# KiCad board panel_4_3.kicad_pcb (continued)
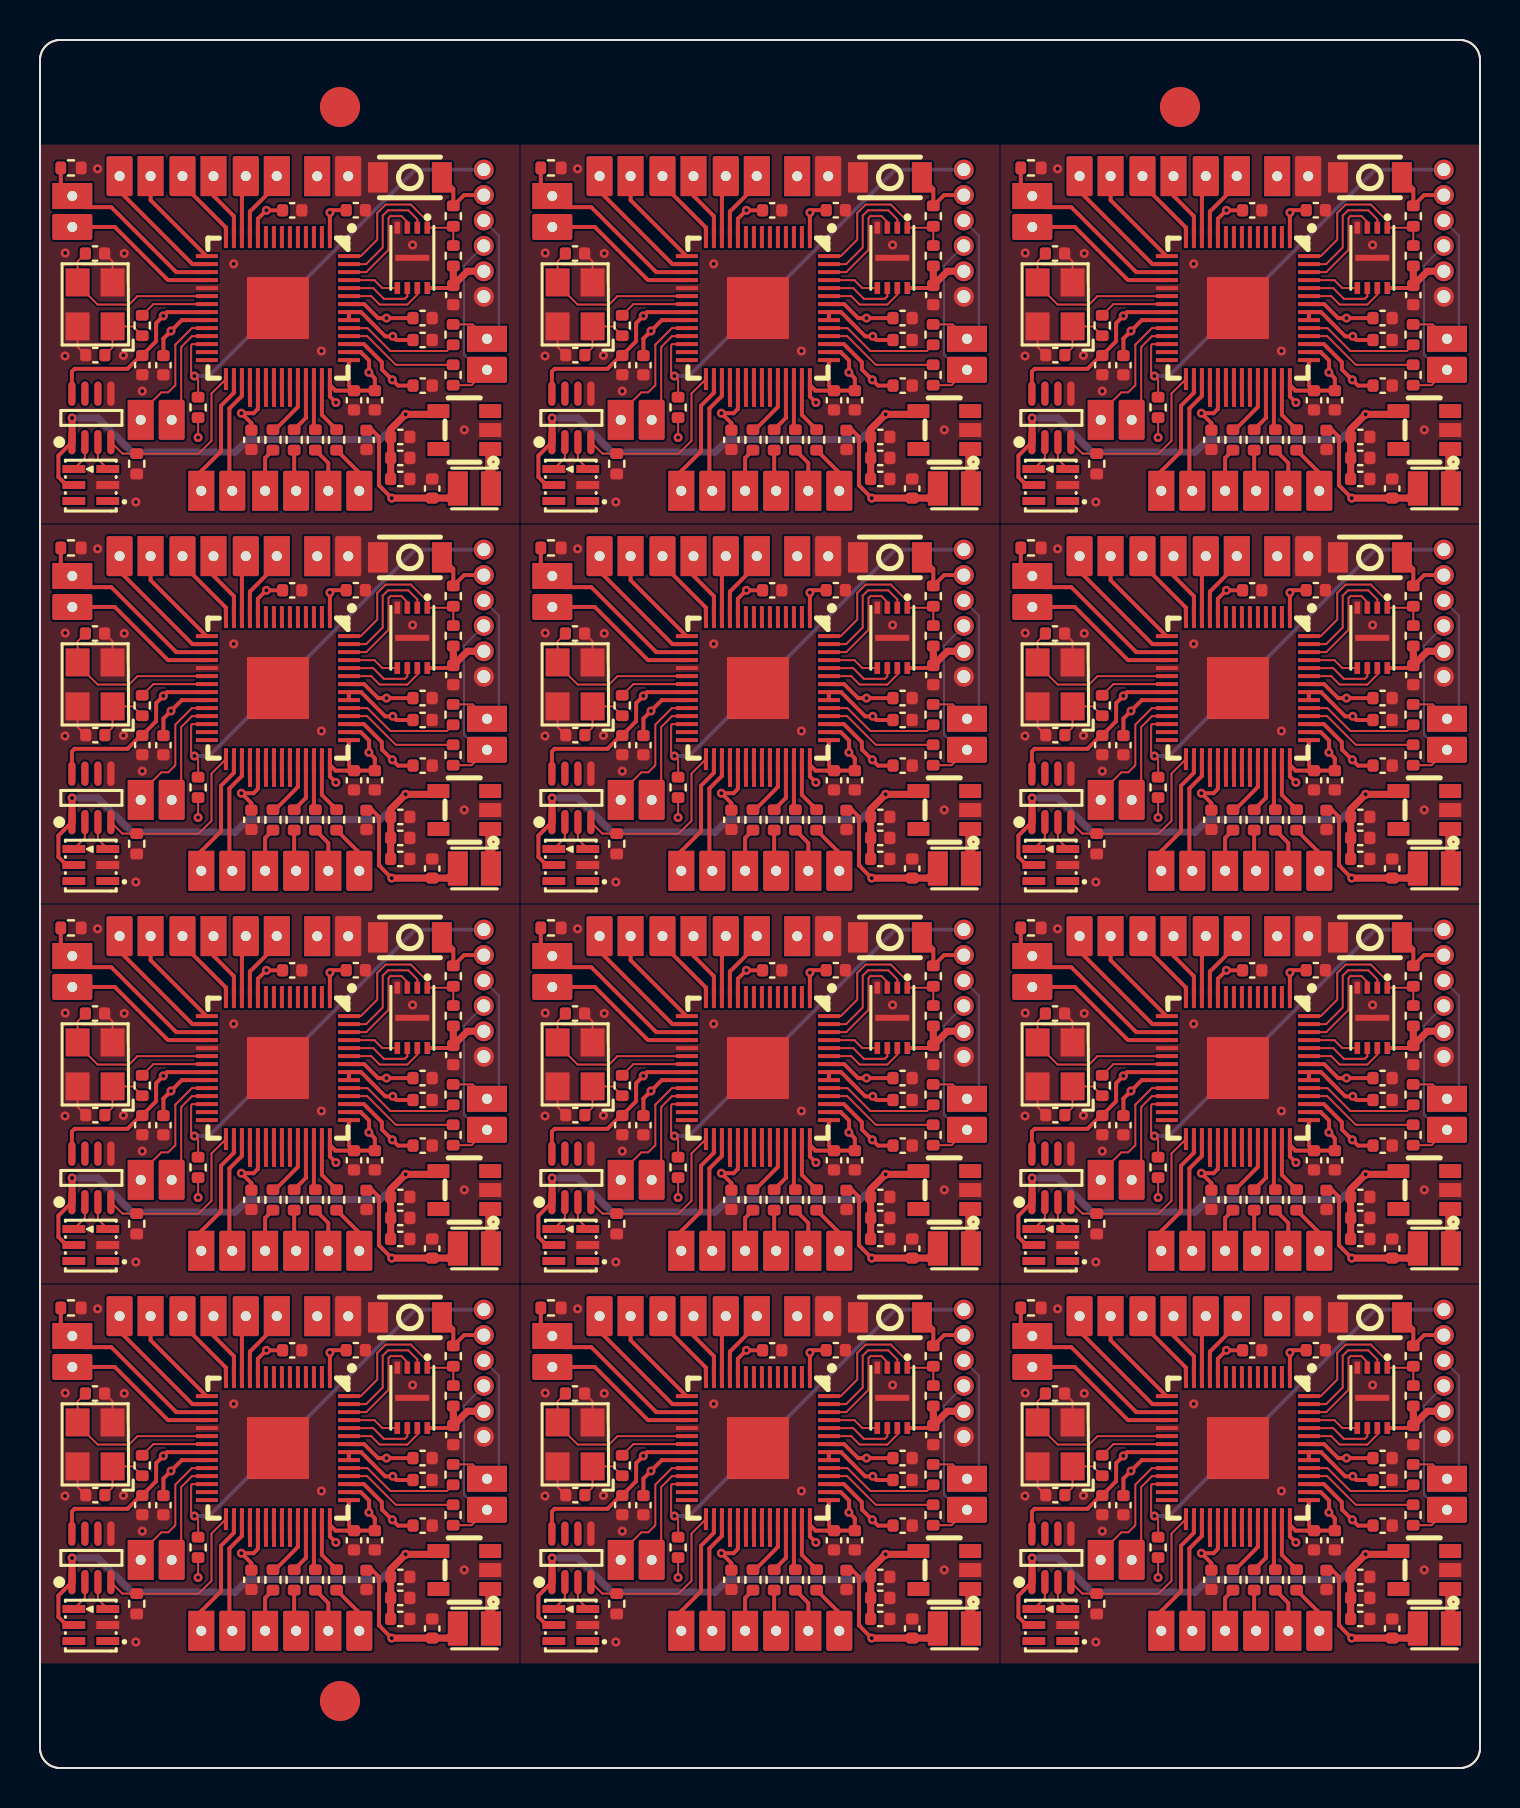
[diagram p0: board, top side]
## Nets (continued)
Board_2-NS_19: J11#7.1 U1#9.30
Board_2-NS_20: J11#7.2 U1#9.31
Board_2-NS_CLK: J3#11.2 R9#11.2
Board_2-NS_CMD: J4#12.1 R10#4.2
Board_2-NS_CPU: J2#7.2 U1#9.18
Board_2-NS_CPU_PD: J2#7.1 R12#10.1 U1#9.17
Board_2-NS_D0: J4#12.2 R11#12.2
Board_2-NS_RST: J3#11.1 R8#6.2
Board_2-NS_SCL: J6.2 U1#9.16
Board_2-NS_SDA: J6.1 U1#9.15
Board_2-PAD_21: J12#2.1 U1#9.32
Board_2-PAD_22: J12#2.3 U1#9.34
Board_2-PAD_23: J12#2.4 U1#9.35
Board_2-PAD_24: J12#2.5 U1#9.36
Board_2-PAD_25: J12#2.6 U1#9.37
Board_2-QSPI_CS: R5#7.2 R6.2 U1#9.56 U2#7.1
Board_2-QSPI_SCK: U1#9.52 U2#7.6
Board_2-QSPI_SD0: U1#9.53 U2#7.5
Board_2-QSPI_SD1: U1#9.55 U2#7.2
Board_2-QSPI_SD2: U1#9.54 U2#7.3
Board_2-QSPI_SD3: U1#9.51 U2#7.7
Board_2-RST: J8.1 R2#4.2 U1#9.26
Board_2-unconnected-(LED1-CKO-Pad6): LED1#11.6
Board_2-unconnected-(LED1-SDO-Pad1): LED1#11.1
Board_2-unconnected-(U1-GPIO0-Pad2): U1#9.2
Board_2-unconnected-(U1-GPIO1-Pad3): U1#9.3
Board_2-unconnected-(U1-GPIO2-Pad4): U1#9.4
Board_2-unconnected-(U1-GPIO3-Pad5): U1#9.5
Board_2-unconnected-(U1-GPIO4-Pad6): U1#9.6
Board_2-unconnected-(U1-GPIO5-Pad7): U1#9.7
Board_2-unconnected-(U1-GPIO6-Pad8): U1#9.8
Board_2-unconnected-(U1-GPIO7-Pad9): U1#9.9
Board_2-unconnected-(U1-GPIO16-Pad27): U1#9.27
Board_2-unconnected-(U1-GPIO17-Pad28): U1#9.28
Board_2-unconnected-(U4-NC-Pad3): U4#11.3
Board_2-unconnected-(U4-NC-Pad5): U4#11.5
Board_2-XIN: C3#11.1 U1#9.20 X1#9.3
Board_2-XOUT: R1#9.2 U1#9.21
Board_3-+1V1: C2#5.1 C4#4.1 C5#5.1 U1#3.23 U1#3.45 U1#3.50
Board_3-+3V3: C6#4.2 C7#10.1 C8#11.1 C9#11.1 C10#5.1 C11#11.1 C12#4.1 C13#12.1 C14#11.1 C15#4.1 J1#6.1 J8#10.5 J12#9.2 L1#6.1 R2#11.1 R6#2.1 U1#3.1 U1#3.10 U1#3.22 U1#3.33 U1#3.42 U1#3.43 U1#3.44 U1#3.48 U1#3.49 U2.8 U3#4.8
Board_3-+5V: C16#8.1 C17#7.1 C18#2.1 LED1#12.5 U3#4.1 U4.4
Board_3-BOOT: J8#10.2 R5#8.1 SW1#4.1
Board_3-D+: J5#12.1 J8#10.3 R3#11.2
Board_3-D-: J5#12.2 J8#10.4 R4#12.2
Board_3-DBG_CLK: J7#10.1 U1#3.24
Board_3-DBG_DAT: J7#10.2 U1#3.25
Board_3-GND: C1#8.1 C2#5.2 C3#8.2 C4#4.2 C5#5.2 C6#4.1 C7#10.2 C8#11.2 C9#11.2 C10#5.2 C11#11.2 C12#4.2 C13#12.2 C14#11.2 C15#4.2 C16#8.2 C17#7.2 C18#2.2 J1#6.2 J8#10.6 LED1#12.2 R7#6.1 R12#4.2 SW1#4.2 U1#3.19 U1#3.57 U2.4 U2.9 U3#4.5 U4.2 X1.2 X1.4
Board_3-LED_CLK: U3#4.7
Board_3-LED_CLK_5V: LED1#12.4 U3#4.2
Board_3-LED_DATA: U3#4.6
Board_3-LED_DATA_5V: LED1#12.3 U3#4.3
Board_3-LED_EN: R7#6.2 U1#3.29 U3#4.4
Board_3-Net-(U1-GPIO26_ADC0): R8#12.1 U1#3.38
Board_3-Net-(U1-GPIO27_ADC1): R9#10.1 U1#3.39
Board_3-Net-(U1-GPIO28_ADC2): R10#3.1 U1#3.40
Board_3-Net-(U1-GPIO29_ADC3): R11#5.1 U1#3.41
Board_3-Net-(U1-USB_DM): R4#12.1 U1#3.46
Board_3-Net-(U1-USB_DP): R3#11.1 U1#3.47
Board_3-Net-(U4-SW): L1#6.2 U4.1
Board_3-Net-(X1-OSC1): C1#8.2 R1#2.1 X1.1
Board_3-NS_8: J10#7.1 U1#3.11
Board_3-NS_9: J10#7.2 U1#3.12
Board_3-NS_10: J9#7.1 U1#3.13
Board_3-NS_11: J9#7.2 U1#3.14
Board_3-NS_19: J11#4.1 U1#3.30
Board_3-NS_20: J11#4.2 U1#3.31
Board_3-NS_CLK: J3#5.2 R9#10.2
Board_3-NS_CMD: J4#10.1 R10#3.2
Board_3-NS_CPU: J2#10.2 U1#3.18
Board_3-NS_CPU_PD: J2#10.1 R12#4.1 U1#3.17
Board_3-NS_D0: J4#10.2 R11#5.2
Board_3-NS_RST: J3#5.1 R8#12.2
Board_3-NS_SCL: J6#4.2 U1#3.16
Board_3-NS_SDA: J6#4.1 U1#3.15
Board_3-PAD_21: J12#9.1 U1#3.32
Board_3-PAD_22: J12#9.3 U1#3.34
Board_3-PAD_23: J12#9.4 U1#3.35
Board_3-PAD_24: J12#9.5 U1#3.36
Board_3-PAD_25: J12#9.6 U1#3.37
Board_3-QSPI_CS: R5#8.2 R6#2.2 U1#3.56 U2.1
Board_3-QSPI_SCK: U1#3.52 U2.6
Board_3-QSPI_SD0: U1#3.53 U2.5
Board_3-QSPI_SD1: U1#3.55 U2.2
Board_3-QSPI_SD2: U1#3.54 U2.3
Board_3-QSPI_SD3: U1#3.51 U2.7
Board_3-RST: J8#10.1 R2#11.2 U1#3.26
Board_3-unconnected-(LED1-CKO-Pad6): LED1#12.6
Board_3-unconnected-(LED1-SDO-Pad1): LED1#12.1
Board_3-unconnected-(U1-GPIO0-Pad2): U1#3.2
Board_3-unconnected-(U1-GPIO1-Pad3): U1#3.3
Board_3-unconnected-(U1-GPIO2-Pad4): U1#3.4
Board_3-unconnected-(U1-GPIO3-Pad5): U1#3.5
Board_3-unconnected-(U1-GPIO4-Pad6): U1#3.6
Board_3-unconnected-(U1-GPIO5-Pad7): U1#3.7
Board_3-unconnected-(U1-GPIO6-Pad8): U1#3.8
Board_3-unconnected-(U1-GPIO7-Pad9): U1#3.9
Board_3-unconnected-(U1-GPIO16-Pad27): U1#3.27
Board_3-unconnected-(U1-GPIO17-Pad28): U1#3.28
Board_3-unconnected-(U4-NC-Pad3): U4.3
Board_3-unconnected-(U4-NC-Pad5): U4.5
Board_3-XIN: C3#8.1 U1#3.20 X1.3
Board_3-XOUT: R1#2.2 U1#3.21
Board_4-+1V1: C2#8.1 C4#8.1 C5#2.1 U1#10.23 U1#10.45 U1#10.50
Board_4-+3V3: C6#3.2 C7#11.1 C8#7.1 C9#10.1 C10#2.1 C11.1 C12#8.1 C13#6.1 C14#3.1 C15#5.1 J1#7.1 J8#6.5 J12#6.2 L1#12.1 R2#5.1 R6#12.1 U1#10.1 U1#10.10 U1#10.22 U1#10.33 U1#10.42 U1#10.43 U1#10.44 U1#10.48 U1#10.49 U2#6.8 U3#11.8
Board_4-+5V: C16#10.1 C17#6.1 C18#4.1 LED1#4.5 U3#11.1 U4#7.4
Board_4-BOOT: J8#6.2 R5#2.1 SW1#9.1
Board_4-D+: J5#4.1 J8#6.3 R3#3.2
Board_4-D-: J5#4.2 J8#6.4 R4#8.2
Board_4-DBG_CLK: J7.1 U1#10.24
Board_4-DBG_DAT: J7.2 U1#10.25
Board_4-GND: C1#6.1 C2#8.2 C3#9.2 C4#8.2 C5#2.2 C6#3.1 C7#11.2 C8#7.2 C9#10.2 C10#2.2 C11.2 C12#8.2 C13#6.2 C14#3.2 C15#5.2 C16#10.2 C17#6.2 C18#4.2 J1#7.2 J8#6.6 LED1#4.2 R7#7.1 R12#2.2 SW1#9.2 U1#10.19 U1#10.57 U2#6.4 U2#6.9 U3#11.5 U4#7.2 X1#4.2 X1#4.4
Board_4-LED_CLK: U3#11.7
Board_4-LED_CLK_5V: LED1#4.4 U3#11.2
Board_4-LED_DATA: U3#11.6
Board_4-LED_DATA_5V: LED1#4.3 U3#11.3
Board_4-LED_EN: R7#7.2 U1#10.29 U3#11.4
Board_4-Net-(U1-GPIO26_ADC0): R8#8.1 U1#10.38
Board_4-Net-(U1-GPIO27_ADC1): R9#2.1 U1#10.39
Board_4-Net-(U1-GPIO28_ADC2): R10#6.1 U1#10.40
Board_4-Net-(U1-GPIO29_ADC3): R11#10.1 U1#10.41
Board_4-Net-(U1-USB_DM): R4#8.1 U1#10.46
Board_4-Net-(U1-USB_DP): R3#3.1 U1#10.47
Board_4-Net-(U4-SW): L1#12.2 U4#7.1
Board_4-Net-(X1-OSC1): C1#6.2 R1#12.1 X1#4.1
Board_4-NS_8: J10#6.1 U1#10.11
Board_4-NS_9: J10#6.2 U1#10.12
Board_4-NS_10: J9#9.1 U1#10.13
Board_4-NS_11: J9#9.2 U1#10.14
Board_4-NS_19: J11#11.1 U1#10.30
Board_4-NS_20: J11#11.2 U1#10.31
Board_4-NS_CLK: J3#12.2 R9#2.2
Board_4-NS_CMD: J4#5.1 R10#6.2
Board_4-NS_CPU: J2#8.2 U1#10.18
Board_4-NS_CPU_PD: J2#8.1 R12#2.1 U1#10.17
Board_4-NS_D0: J4#5.2 R11#10.2
Board_4-NS_RST: J3#12.1 R8#8.2
Board_4-NS_SCL: J6#9.2 U1#10.16
Board_4-NS_SDA: J6#9.1 U1#10.15
Board_4-PAD_21: J12#6.1 U1#10.32
Board_4-PAD_22: J12#6.3 U1#10.34
Board_4-PAD_23: J12#6.4 U1#10.35
Board_4-PAD_24: J12#6.5 U1#10.36
Board_4-PAD_25: J12#6.6 U1#10.37
Board_4-QSPI_CS: R5#2.2 R6#12.2 U1#10.56 U2#6.1
Board_4-QSPI_SCK: U1#10.52 U2#6.6
Board_4-QSPI_SD0: U1#10.53 U2#6.5
Board_4-QSPI_SD1: U1#10.55 U2#6.2
Board_4-QSPI_SD2: U1#10.54 U2#6.3
Board_4-QSPI_SD3: U1#10.51 U2#6.7
Board_4-RST: J8#6.1 R2#5.2 U1#10.26
Board_4-unconnected-(LED1-CKO-Pad6): LED1#4.6
Board_4-unconnected-(LED1-SDO-Pad1): LED1#4.1
Board_4-unconnected-(U1-GPIO0-Pad2): U1#10.2
Board_4-unconnected-(U1-GPIO1-Pad3): U1#10.3
Board_4-unconnected-(U1-GPIO2-Pad4): U1#10.4
Board_4-unconnected-(U1-GPIO3-Pad5): U1#10.5
Board_4-unconnected-(U1-GPIO4-Pad6): U1#10.6
Board_4-unconnected-(U1-GPIO5-Pad7): U1#10.7
Board_4-unconnected-(U1-GPIO6-Pad8): U1#10.8
Board_4-unconnected-(U1-GPIO7-Pad9): U1#10.9
Board_4-unconnected-(U1-GPIO16-Pad27): U1#10.27
Board_4-unconnected-(U1-GPIO17-Pad28): U1#10.28
Board_4-unconnected-(U4-NC-Pad3): U4#7.3
Board_4-unconnected-(U4-NC-Pad5): U4#7.5
Board_4-XIN: C3#9.1 U1#10.20 X1#4.3
Board_4-XOUT: R1#12.2 U1#10.21
Board_5-+1V1: C2#7.1 C4#6.1 C5#9.1 U1#2.23 U1#2.45 U1#2.50
Board_5-+3V3: C6#7.2 C7#7.1 C8#9.1 C9#6.1 C10#7.1 C11#10.1 C12#7.1 C13#4.1 C14#7.1 C15#3.1 J1#3.1 J8#8.5 J12#4.2 L1#8.1 R2#2.1 R6#6.1 U1#2.1 U1#2.10 U1#2.22 U1#2.33 U1#2.42 U1#2.43 U1#2.44 U1#2.48 U1#2.49 U2#12.8 U3#12.8
Board_5-+5V: C16#12.1 C17#12.1 C18#12.1 LED1#5.5 U3#12.1 U4#9.4
Board_5-BOOT: J8#8.2 R5#5.1 SW1#12.1
Board_5-D+: J5#6.1 J8#8.3 R3#8.2
Board_5-D-: J5#6.2 J8#8.4 R4#11.2
Board_5-DBG_CLK: J7#8.1 U1#2.24
Board_5-DBG_DAT: J7#8.2 U1#2.25
Board_5-GND: C1#5.1 C2#7.2 C3#6.2 C4#6.2 C5#9.2 C6#7.1 C7#7.2 C8#9.2 C9#6.2 C10#7.2 C11#10.2 C12#7.2 C13#4.2 C14#7.2 C15#3.2 C16#12.2 C17#12.2 C18#12.2 J1#3.2 J8#8.6 LED1#5.2 R7#2.1 R12#11.2 SW1#12.2 U1#2.19 U1#2.57 U2#12.4 U2#12.9 U3#12.5 U4#9.2 X1#7.2 X1#7.4
Board_5-LED_CLK: U3#12.7
Board_5-LED_CLK_5V: LED1#5.4 U3#12.2
Board_5-LED_DATA: U3#12.6
Board_5-LED_DATA_5V: LED1#5.3 U3#12.3
Board_5-LED_EN: R7#2.2 U1#2.29 U3#12.4
Board_5-Net-(U1-GPIO26_ADC0): R8.1 U1#2.38
Board_5-Net-(U1-GPIO27_ADC1): R9#5.1 U1#2.39
Board_5-Net-(U1-GPIO28_ADC2): R10#2.1 U1#2.40
Board_5-Net-(U1-GPIO29_ADC3): R11#2.1 U1#2.41
Board_5-Net-(U1-USB_DM): R4#11.1 U1#2.46
Board_5-Net-(U1-USB_DP): R3#8.1 U1#2.47
Board_5-Net-(U4-SW): L1#8.2 U4#9.1
Board_5-Net-(X1-OSC1): C1#5.2 R1#5.1 X1#7.1
Board_5-NS_8: J10#8.1 U1#2.11
Board_5-NS_9: J10#8.2 U1#2.12
Board_5-NS_10: J9#8.1 U1#2.13
Board_5-NS_11: J9#8.2 U1#2.14
Board_5-NS_19: J11#12.1 U1#2.30
Board_5-NS_20: J11#12.2 U1#2.31
Board_5-NS_CLK: J3.2 R9#5.2
Board_5-NS_CMD: J4#7.1 R10#2.2
Board_5-NS_CPU: J2#11.2 U1#2.18
Board_5-NS_CPU_PD: J2#11.1 R12#11.1 U1#2.17
Board_5-NS_D0: J4#7.2 R11#2.2
Board_5-NS_RST: J3.1 R8.2
Board_5-NS_SCL: J6#6.2 U1#2.16
Board_5-NS_SDA: J6#6.1 U1#2.15
Board_5-PAD_21: J12#4.1 U1#2.32
Board_5-PAD_22: J12#4.3 U1#2.34
Board_5-PAD_23: J12#4.4 U1#2.35
Board_5-PAD_24: J12#4.5 U1#2.36
Board_5-PAD_25: J12#4.6 U1#2.37
Board_5-QSPI_CS: R5#5.2 R6#6.2 U1#2.56 U2#12.1
Board_5-QSPI_SCK: U1#2.52 U2#12.6
Board_5-QSPI_SD0: U1#2.53 U2#12.5
Board_5-QSPI_SD1: U1#2.55 U2#12.2
Board_5-QSPI_SD2: U1#2.54 U2#12.3
Board_5-QSPI_SD3: U1#2.51 U2#12.7
Board_5-RST: J8#8.1 R2#2.2 U1#2.26
Board_5-unconnected-(LED1-CKO-Pad6): LED1#5.6
Board_5-unconnected-(LED1-SDO-Pad1): LED1#5.1
Board_5-unconnected-(U1-GPIO0-Pad2): U1#2.2
Board_5-unconnected-(U1-GPIO1-Pad3): U1#2.3
Board_5-unconnected-(U1-GPIO2-Pad4): U1#2.4
Board_5-unconnected-(U1-GPIO3-Pad5): U1#2.5
Board_5-unconnected-(U1-GPIO4-Pad6): U1#2.6
Board_5-unconnected-(U1-GPIO5-Pad7): U1#2.7
Board_5-unconnected-(U1-GPIO6-Pad8): U1#2.8
Board_5-unconnected-(U1-GPIO7-Pad9): U1#2.9
Board_5-unconnected-(U1-GPIO16-Pad27): U1#2.27
Board_5-unconnected-(U1-GPIO17-Pad28): U1#2.28
Board_5-unconnected-(U4-NC-Pad3): U4#9.3
Board_5-unconnected-(U4-NC-Pad5): U4#9.5
Board_5-XIN: C3#6.1 U1#2.20 X1#7.3
Board_5-XOUT: R1#5.2 U1#2.21
Board_6-+1V1: C2#9.1 C4.1 C5#7.1 U1.23 U1.45 U1.50
Board_6-+3V3: C6#12.2 C7#6.1 C8#2.1 C9#9.1 C10#9.1 C11#9.1 C12#12.1 C13#11.1 C14#6.1 C15#8.1 J1#2.1 J8#11.5 J12#7.2 L1#2.1 R2#9.1 R6#8.1 U1.1 U1.10 U1.22 U1.33 U1.42 U1.43 U1.44 U1.48 U1.49 U2#8.8 U3#6.8
Board_6-+5V: C16#3.1 C17#2.1 C18#8.1 LED1#10.5 U3#6.1 U4#2.4
Board_6-BOOT: J8#11.2 R5#11.1 SW1#11.1
Board_6-D+: J5#3.1 J8#11.3 R3#7.2
Board_6-D-: J5#3.2 J8#11.4 R4#10.2
Board_6-DBG_CLK: J7#4.1 U1.24
Board_6-DBG_DAT: J7#4.2 U1.25
Board_6-GND: C1#4.1 C2#9.2 C3#2.2 C4.2 C5#7.2 C6#12.1 C7#6.2 C8#2.2 C9#9.2 C10#9.2 C11#9.2 C12#12.2 C13#11.2 C14#6.2 C15#8.2 C16#3.2 C17#2.2 C18#8.2 J1#2.2 J8#11.6 LED1#10.2 R7#10.1 R12#9.2 SW1#11.2 U1.19 U1.57 U2#8.4 U2#8.9 U3#6.5 U4#2.2 X1#5.2 X1#5.4
Board_6-LED_CLK: U3#6.7
Board_6-LED_CLK_5V: LED1#10.4 U3#6.2
Board_6-LED_DATA: U3#6.6
Board_6-LED_DATA_5V: LED1#10.3 U3#6.3
Board_6-LED_EN: R7#10.2 U1.29 U3#6.4
Board_6-Net-(U1-GPIO26_ADC0): R8#7.1 U1.38
Board_6-Net-(U1-GPIO27_ADC1): R9#7.1 U1.39
Board_6-Net-(U1-GPIO28_ADC2): R10#12.1 U1.40
Board_6-Net-(U1-GPIO29_ADC3): R11#7.1 U1.41
Board_6-Net-(U1-USB_DM): R4#10.1 U1.46
Board_6-Net-(U1-USB_DP): R3#7.1 U1.47
Board_6-Net-(U4-SW): L1#2.2 U4#2.1
Board_6-Net-(X1-OSC1): C1#4.2 R1#11.1 X1#5.1
Board_6-NS_8: J10#4.1 U1.11
Board_6-NS_9: J10#4.2 U1.12
Board_6-NS_10: J9#12.1 U1.13
Board_6-NS_11: J9#12.2 U1.14
Board_6-NS_19: J11#10.1 U1.30
Board_6-NS_20: J11#10.2 U1.31
Board_6-NS_CLK: J3#10.2 R9#7.2
Board_6-NS_CMD: J4.1 R10#12.2
Board_6-NS_CPU: J2#3.2 U1.18
Board_6-NS_CPU_PD: J2#3.1 R12#9.1 U1.17
Board_6-NS_D0: J4.2 R11#7.2
Board_6-NS_RST: J3#10.1 R8#7.2
Board_6-NS_SCL: J6#8.2 U1.16
Board_6-NS_SDA: J6#8.1 U1.15
Board_6-PAD_21: J12#7.1 U1.32
Board_6-PAD_22: J12#7.3 U1.34
Board_6-PAD_23: J12#7.4 U1.35
Board_6-PAD_24: J12#7.5 U1.36
Board_6-PAD_25: J12#7.6 U1.37
Board_6-QSPI_CS: R5#11.2 R6#8.2 U1.56 U2#8.1
Board_6-QSPI_SCK: U1.52 U2#8.6
Board_6-QSPI_SD0: U1.53 U2#8.5
Board_6-QSPI_SD1: U1.55 U2#8.2
Board_6-QSPI_SD2: U1.54 U2#8.3
Board_6-QSPI_SD3: U1.51 U2#8.7
Board_6-RST: J8#11.1 R2#9.2 U1.26
Board_6-unconnected-(LED1-CKO-Pad6): LED1#10.6
Board_6-unconnected-(LED1-SDO-Pad1): LED1#10.1
Board_6-unconnected-(U1-GPIO0-Pad2): U1.2
Board_6-unconnected-(U1-GPIO1-Pad3): U1.3
Board_6-unconnected-(U1-GPIO2-Pad4): U1.4
Board_6-unconnected-(U1-GPIO3-Pad5): U1.5
Board_6-unconnected-(U1-GPIO4-Pad6): U1.6
Board_6-unconnected-(U1-GPIO5-Pad7): U1.7
Board_6-unconnected-(U1-GPIO6-Pad8): U1.8
Board_6-unconnected-(U1-GPIO7-Pad9): U1.9
Board_6-unconnected-(U1-GPIO16-Pad27): U1.27
Board_6-unconnected-(U1-GPIO17-Pad28): U1.28
Board_6-unconnected-(U4-NC-Pad3): U4#2.3
Board_6-unconnected-(U4-NC-Pad5): U4#2.5
Board_6-XIN: C3#2.1 U1.20 X1#5.3
Board_6-XOUT: R1#11.2 U1.21
Board_7-+1V1: C2#6.1 C4#3.1 C5#10.1 U1#8.23 U1#8.45 U1#8.50
Board_7-+3V3: C6#8.2 C7#2.1 C8.1 C9#4.1 C10#3.1 C11#5.1 C12#2.1 C13#8.1 C14.1 C15#2.1 J1#8.1 J8#4.5 J12#3.2 L1.1 R2#10.1 R6#5.1 U1#8.1 U1#8.10 U1#8.22 U1#8.33 U1#8.42 U1#8.43 U1#8.44 U1#8.48 U1#8.49 U2#10.8 U3#7.8
Board_7-+5V: C16#7.1 C17#8.1 C18#5.1 LED1#3.5 U3#7.1 U4#8.4
Board_7-BOOT: J8#4.2 R5#3.1 SW1#3.1
Board_7-D+: J5#7.1 J8#4.3 R3#2.2
Board_7-D-: J5#7.2 J8#4.4 R4#2.2
Board_7-DBG_CLK: J7#5.1 U1#8.24
Board_7-DBG_DAT: J7#5.2 U1#8.25
Board_7-GND: C1.1 C2#6.2 C3#12.2 C4#3.2 C5#10.2 C6#8.1 C7#2.2 C8.2 C9#4.2 C10#3.2 C11#5.2 C12#2.2 C13#8.2 C14.2 C15#2.2 C16#7.2 C17#8.2 C18#5.2 J1#8.2 J8#4.6 LED1#3.2 R7.1 R12.2 SW1#3.2 U1#8.19 U1#8.57 U2#10.4 U2#10.9 U3#7.5 U4#8.2 X1#2.2 X1#2.4
Board_7-LED_CLK: U3#7.7
Board_7-LED_CLK_5V: LED1#3.4 U3#7.2
Board_7-LED_DATA: U3#7.6
Board_7-LED_DATA_5V: LED1#3.3 U3#7.3
Board_7-LED_EN: R7.2 U1#8.29 U3#7.4
Board_7-Net-(U1-GPIO26_ADC0): R8#5.1 U1#8.38
Board_7-Net-(U1-GPIO27_ADC1): R9#4.1 U1#8.39
Board_7-Net-(U1-GPIO28_ADC2): R10#11.1 U1#8.40
Board_7-Net-(U1-GPIO29_ADC3): R11#11.1 U1#8.41
Board_7-Net-(U1-USB_DM): R4#2.1 U1#8.46
Board_7-Net-(U1-USB_DP): R3#2.1 U1#8.47
Board_7-Net-(U4-SW): L1.2 U4#8.1
Board_7-Net-(X1-OSC1): C1.2 R1#7.1 X1#2.1
Board_7-NS_8: J10#2.1 U1#8.11
Board_7-NS_9: J10#2.2 U1#8.12
Board_7-NS_10: J9#3.1 U1#8.13
Board_7-NS_11: J9#3.2 U1#8.14
Board_7-NS_19: J11#8.1 U1#8.30
Board_7-NS_20: J11#8.2 U1#8.31
Board_7-NS_CLK: J3#9.2 R9#4.2
Board_7-NS_CMD: J4#6.1 R10#11.2
Board_7-NS_CPU: J2#12.2 U1#8.18
Board_7-NS_CPU_PD: J2#12.1 R12.1 U1#8.17
Board_7-NS_D0: J4#6.2 R11#11.2
Board_7-NS_RST: J3#9.1 R8#5.2
Board_7-NS_SCL: J6#2.2 U1#8.16
Board_7-NS_SDA: J6#2.1 U1#8.15
Board_7-PAD_21: J12#3.1 U1#8.32
Board_7-PAD_22: J12#3.3 U1#8.34
Board_7-PAD_23: J12#3.4 U1#8.35
Board_7-PAD_24: J12#3.5 U1#8.36
Board_7-PAD_25: J12#3.6 U1#8.37
Board_7-QSPI_CS: R5#3.2 R6#5.2 U1#8.56 U2#10.1
Board_7-QSPI_SCK: U1#8.52 U2#10.6
Board_7-QSPI_SD0: U1#8.53 U2#10.5
Board_7-QSPI_SD1: U1#8.55 U2#10.2
Board_7-QSPI_SD2: U1#8.54 U2#10.3
Board_7-QSPI_SD3: U1#8.51 U2#10.7
Board_7-RST: J8#4.1 R2#10.2 U1#8.26
Board_7-unconnected-(LED1-CKO-Pad6): LED1#3.6
Board_7-unconnected-(LED1-SDO-Pad1): LED1#3.1
Board_7-unconnected-(U1-GPIO0-Pad2): U1#8.2
Board_7-unconnected-(U1-GPIO1-Pad3): U1#8.3
Board_7-unconnected-(U1-GPIO2-Pad4): U1#8.4
Board_7-unconnected-(U1-GPIO3-Pad5): U1#8.5
Board_7-unconnected-(U1-GPIO4-Pad6): U1#8.6
Board_7-unconnected-(U1-GPIO5-Pad7): U1#8.7
Board_7-unconnected-(U1-GPIO6-Pad8): U1#8.8
Board_7-unconnected-(U1-GPIO7-Pad9): U1#8.9
Board_7-unconnected-(U1-GPIO16-Pad27): U1#8.27
Board_7-unconnected-(U1-GPIO17-Pad28): U1#8.28
Board_7-unconnected-(U4-NC-Pad3): U4#8.3
Board_7-unconnected-(U4-NC-Pad5): U4#8.5
Board_7-XIN: C3#12.1 U1#8.20 X1#2.3
Board_7-XOUT: R1#7.2 U1#8.21
Board_8-+1V1: C2#3.1 C4#11.1 C5.1 U1#5.23 U1#5.45 U1#5.50
Board_8-+3V3: C6#9.2 C7.1 C8#6.1 C9#3.1 C10#12.1 C11#2.1 C12#6.1 C13#3.1 C14#8.1 C15.1 J1.1 J8#5.5 J12.2 L1#9.1 R2#6.1 R6#9.1 U1#5.1 U1#5.10 U1#5.22 U1#5.33 U1#5.42 U1#5.43 U1#5.44 U1#5.48 U1#5.49 U2#4.8 U3.8
Board_8-+5V: C16.1 C17#3.1 C18#6.1 LED1#8.5 U3.1 U4#5.4
Board_8-BOOT: J8#5.2 R5#6.1 SW1#10.1
Board_8-D+: J5#9.1 J8#5.3 R3.2
Board_8-D-: J5#9.2 J8#5.4 R4#7.2
Board_8-DBG_CLK: J7#6.1 U1#5.24
Board_8-DBG_DAT: J7#6.2 U1#5.25
Board_8-GND: C1#7.1 C2#3.2 C3#3.2 C4#11.2 C5.2 C6#9.1 C7.2 C8#6.2 C9#3.2 C10#12.2 C11#2.2 C12#6.2 C13#3.2 C14#8.2 C15.2 C16.2 C17#3.2 C18#6.2 J1.2 J8#5.6 LED1#8.2 R7#11.1 R12#3.2 SW1#10.2 U1#5.19 U1#5.57 U2#4.4 U2#4.9 U3.5 U4#5.2 X1#10.2 X1#10.4
Board_8-LED_CLK: U3.7
Board_8-LED_CLK_5V: LED1#8.4 U3.2
Board_8-LED_DATA: U3.6
Board_8-LED_DATA_5V: LED1#8.3 U3.3
Board_8-LED_EN: R7#11.2 U1#5.29 U3.4
Board_8-Net-(U1-GPIO26_ADC0): R8#11.1 U1#5.38
Board_8-Net-(U1-GPIO27_ADC1): R9#12.1 U1#5.39
Board_8-Net-(U1-GPIO28_ADC2): R10#7.1 U1#5.40
Board_8-Net-(U1-GPIO29_ADC3): R11#3.1 U1#5.41
Board_8-Net-(U1-USB_DM): R4#7.1 U1#5.46
Board_8-Net-(U1-USB_DP): R3.1 U1#5.47
Board_8-Net-(U4-SW): L1#9.2 U4#5.1
Board_8-Net-(X1-OSC1): C1#7.2 R1.1 X1#10.1
Board_8-NS_8: J10#9.1 U1#5.11
Board_8-NS_9: J10#9.2 U1#5.12
Board_8-NS_10: J9#5.1 U1#5.13
Board_8-NS_11: J9#5.2 U1#5.14
Board_8-NS_19: J11#5.1 U1#5.30
Board_8-NS_20: J11#5.2 U1#5.31
Board_8-NS_CLK: J3#7.2 R9#12.2
Board_8-NS_CMD: J4#9.1 R10#7.2
Board_8-NS_CPU: J2#5.2 U1#5.18
Board_8-NS_CPU_PD: J2#5.1 R12#3.1 U1#5.17
Board_8-NS_D0: J4#9.2 R11#3.2
Board_8-NS_RST: J3#7.1 R8#11.2
Board_8-NS_SCL: J6#3.2 U1#5.16
Board_8-NS_SDA: J6#3.1 U1#5.15
Board_8-PAD_21: J12.1 U1#5.32
Board_8-PAD_22: J12.3 U1#5.34
Board_8-PAD_23: J12.4 U1#5.35
Board_8-PAD_24: J12.5 U1#5.36
Board_8-PAD_25: J12.6 U1#5.37
Board_8-QSPI_CS: R5#6.2 R6#9.2 U1#5.56 U2#4.1
Board_8-QSPI_SCK: U1#5.52 U2#4.6
Board_8-QSPI_SD0: U1#5.53 U2#4.5
Board_8-QSPI_SD1: U1#5.55 U2#4.2
Board_8-QSPI_SD2: U1#5.54 U2#4.3
Board_8-QSPI_SD3: U1#5.51 U2#4.7
Board_8-RST: J8#5.1 R2#6.2 U1#5.26
Board_8-unconnected-(LED1-CKO-Pad6): LED1#8.6
Board_8-unconnected-(LED1-SDO-Pad1): LED1#8.1
Board_8-unconnected-(U1-GPIO0-Pad2): U1#5.2
Board_8-unconnected-(U1-GPIO1-Pad3): U1#5.3
Board_8-unconnected-(U1-GPIO2-Pad4): U1#5.4
Board_8-unconnected-(U1-GPIO3-Pad5): U1#5.5
Board_8-unconnected-(U1-GPIO4-Pad6): U1#5.6
Board_8-unconnected-(U1-GPIO5-Pad7): U1#5.7
Board_8-unconnected-(U1-GPIO6-Pad8): U1#5.8
Board_8-unconnected-(U1-GPIO7-Pad9): U1#5.9
Board_8-unconnected-(U1-GPIO16-Pad27): U1#5.27
Board_8-unconnected-(U1-GPIO17-Pad28): U1#5.28
Board_8-unconnected-(U4-NC-Pad3): U4#5.3
Board_8-unconnected-(U4-NC-Pad5): U4#5.5
Board_8-XIN: C3#3.1 U1#5.20 X1#10.3
Board_8-XOUT: R1.2 U1#5.21
Board_9-+1V1: C2#11.1 C4#2.1 C5#11.1 U1#6.23 U1#6.45 U1#6.50
Board_9-+3V3: C6#2.2 C7#8.1 C8#8.1 C9.1 C10.1 C11#8.1 C12#9.1 C13#5.1 C14#9.1 C15#7.1 J1#5.1 J8#12.5 J12#10.2 L1#11.1 R2#3.1 R6#3.1 U1#6.1 U1#6.10 U1#6.22 U1#6.33 U1#6.42 U1#6.43 U1#6.44 U1#6.48 U1#6.49 U2#11.8 U3#2.8
Board_9-+5V: C16#6.1 C17#5.1 C18#9.1 LED1#6.5 U3#2.1 U4#10.4
Board_9-BOOT: J8#12.2 R5.1 SW1#2.1
Board_9-D+: J5.1 J8#12.3 R3#6.2
Board_9-D-: J5.2 J8#12.4 R4#6.2
Board_9-DBG_CLK: J7#2.1 U1#6.24
Board_9-DBG_DAT: J7#2.2 U1#6.25
Board_9-GND: C1#9.1 C2#11.2 C3#5.2 C4#2.2 C5#11.2 C6#2.1 C7#8.2 C8#8.2 C9.2 C10.2 C11#8.2 C12#9.2 C13#5.2 C14#9.2 C15#7.2 C16#6.2 C17#5.2 C18#9.2 J1#5.2 J8#12.6 LED1#6.2 R7#8.1 R12#6.2 SW1#2.2 U1#6.19 U1#6.57 U2#11.4 U2#11.9 U3#2.5 U4#10.2 X1#12.2 X1#12.4
Board_9-LED_CLK: U3#2.7
Board_9-LED_CLK_5V: LED1#6.4 U3#2.2
Board_9-LED_DATA: U3#2.6
Board_9-LED_DATA_5V: LED1#6.3 U3#2.3
Board_9-LED_EN: R7#8.2 U1#6.29 U3#2.4
Board_9-Net-(U1-GPIO26_ADC0): R8#9.1 U1#6.38
Board_9-Net-(U1-GPIO27_ADC1): R9#8.1 U1#6.39
Board_9-Net-(U1-GPIO28_ADC2): R10#5.1 U1#6.40
Board_9-Net-(U1-GPIO29_ADC3): R11#9.1 U1#6.41
Board_9-Net-(U1-USB_DM): R4#6.1 U1#6.46
Board_9-Net-(U1-USB_DP): R3#6.1 U1#6.47
Board_9-Net-(U4-SW): L1#11.2 U4#10.1
Board_9-Net-(X1-OSC1): C1#9.2 R1#4.1 X1#12.1
Board_9-NS_8: J10#11.1 U1#6.11
Board_9-NS_9: J10#11.2 U1#6.12
Board_9-NS_10: J9.1 U1#6.13
Board_9-NS_11: J9.2 U1#6.14
Board_9-NS_19: J11.1 U1#6.30
Board_9-NS_20: J11.2 U1#6.31
Board_9-NS_CLK: J3#2.2 R9#8.2
Board_9-NS_CMD: J4#3.1 R10#5.2
Board_9-NS_CPU: J2#9.2 U1#6.18
Board_9-NS_CPU_PD: J2#9.1 R12#6.1 U1#6.17
Board_9-NS_D0: J4#3.2 R11#9.2
Board_9-NS_RST: J3#2.1 R8#9.2
Board_9-NS_SCL: J6#12.2 U1#6.16
Board_9-NS_SDA: J6#12.1 U1#6.15
Board_9-PAD_21: J12#10.1 U1#6.32
Board_9-PAD_22: J12#10.3 U1#6.34
Board_9-PAD_23: J12#10.4 U1#6.35
Board_9-PAD_24: J12#10.5 U1#6.36
Board_9-PAD_25: J12#10.6 U1#6.37
Board_9-QSPI_CS: R5.2 R6#3.2 U1#6.56 U2#11.1
Board_9-QSPI_SCK: U1#6.52 U2#11.6
Board_9-QSPI_SD0: U1#6.53 U2#11.5
Board_9-QSPI_SD1: U1#6.55 U2#11.2
Board_9-QSPI_SD2: U1#6.54 U2#11.3
Board_9-QSPI_SD3: U1#6.51 U2#11.7
Board_9-RST: J8#12.1 R2#3.2 U1#6.26
Board_9-unconnected-(LED1-CKO-Pad6): LED1#6.6
Board_9-unconnected-(LED1-SDO-Pad1): LED1#6.1
Board_9-unconnected-(U1-GPIO0-Pad2): U1#6.2
Board_9-unconnected-(U1-GPIO1-Pad3): U1#6.3
Board_9-unconnected-(U1-GPIO2-Pad4): U1#6.4
Board_9-unconnected-(U1-GPIO3-Pad5): U1#6.5
Board_9-unconnected-(U1-GPIO4-Pad6): U1#6.6
Board_9-unconnected-(U1-GPIO5-Pad7): U1#6.7
Board_9-unconnected-(U1-GPIO6-Pad8): U1#6.8
Board_9-unconnected-(U1-GPIO7-Pad9): U1#6.9
Board_9-unconnected-(U1-GPIO16-Pad27): U1#6.27
Board_9-unconnected-(U1-GPIO17-Pad28): U1#6.28
Board_9-unconnected-(U4-NC-Pad3): U4#10.3
Board_9-unconnected-(U4-NC-Pad5): U4#10.5
Board_9-XIN: C3#5.1 U1#6.20 X1#12.3
Board_9-XOUT: R1#4.2 U1#6.21
Board_10-+1V1: C2#4.1 C4#12.1 C5#4.1 U1#4.23 U1#4.45 U1#4.50
Board_10-+3V3: C6#10.2 C7#9.1 C8#12.1 C9#5.1 C10#8.1 C11#7.1 C12#10.1 C13#2.1 C14#10.1 C15#9.1 J1#10.1 J8#3.5 J12#12.2 L1#7.1 R2#7.1 R6#10.1 U1#4.1 U1#4.10 U1#4.22 U1#4.33 U1#4.42 U1#4.43 U1#4.44 U1#4.48 U1#4.49 U2#5.8 U3#10.8
Board_10-+5V: C16#4.1 C17.1 C18#10.1 LED1#7.5 U3#10.1 U4#6.4
Board_10-BOOT: J8#3.2 R5#12.1 SW1.1
Board_10-D+: J5#10.1 J8#3.3 R3#5.2
Board_10-D-: J5#10.2 J8#3.4 R4#3.2
Board_10-DBG_CLK: J7#3.1 U1#4.24
Board_10-DBG_DAT: J7#3.2 U1#4.25
Board_10-GND: C1#11.1 C2#4.2 C3#10.2 C4#12.2 C5#4.2 C6#10.1 C7#9.2 C8#12.2 C9#5.2 C10#8.2 C11#7.2 C12#10.2 C13#2.2 C14#10.2 C15#9.2 C16#4.2 C17.2 C18#10.2 J1#10.2 J8#3.6 LED1#7.2 R7#12.1 R12#12.2 SW1.2 U1#4.19 U1#4.57 U2#5.4 U2#5.9 U3#10.5 U4#6.2 X1#8.2 X1#8.4
Board_10-LED_CLK: U3#10.7
Board_10-LED_CLK_5V: LED1#7.4 U3#10.2
Board_10-LED_DATA: U3#10.6
Board_10-LED_DATA_5V: LED1#7.3 U3#10.3
Board_10-LED_EN: R7#12.2 U1#4.29 U3#10.4
Board_10-Net-(U1-GPIO26_ADC0): R8#4.1 U1#4.38
Board_10-Net-(U1-GPIO27_ADC1): R9#9.1 U1#4.39
Board_10-Net-(U1-GPIO28_ADC2): R10#9.1 U1#4.40
Board_10-Net-(U1-GPIO29_ADC3): R11#4.1 U1#4.41
Board_10-Net-(U1-USB_DM): R4#3.1 U1#4.46
Board_10-Net-(U1-USB_DP): R3#5.1 U1#4.47
Board_10-Net-(U4-SW): L1#7.2 U4#6.1
Board_10-Net-(X1-OSC1): C1#11.2 R1#8.1 X1#8.1
Board_10-NS_8: J10#3.1 U1#4.11
Board_10-NS_9: J10#3.2 U1#4.12
Board_10-NS_10: J9#11.1 U1#4.13
Board_10-NS_11: J9#11.2 U1#4.14
Board_10-NS_19: J11#6.1 U1#4.30
Board_10-NS_20: J11#6.2 U1#4.31
Board_10-NS_CLK: J3#4.2 R9#9.2
Board_10-NS_CMD: J4#2.1 R10#9.2
Board_10-NS_CPU: J2#6.2 U1#4.18
Board_10-NS_CPU_PD: J2#6.1 R12#12.1 U1#4.17
Board_10-NS_D0: J4#2.2 R11#4.2
Board_10-NS_RST: J3#4.1 R8#4.2
Board_10-NS_SCL: J6#10.2 U1#4.16
Board_10-NS_SDA: J6#10.1 U1#4.15
Board_10-PAD_21: J12#12.1 U1#4.32
Board_10-PAD_22: J12#12.3 U1#4.34
Board_10-PAD_23: J12#12.4 U1#4.35